# KiCad board ae89fa26-SparkFun_Thing_Plus_ESP32-S3_panelized.kicad_pcb (continued)
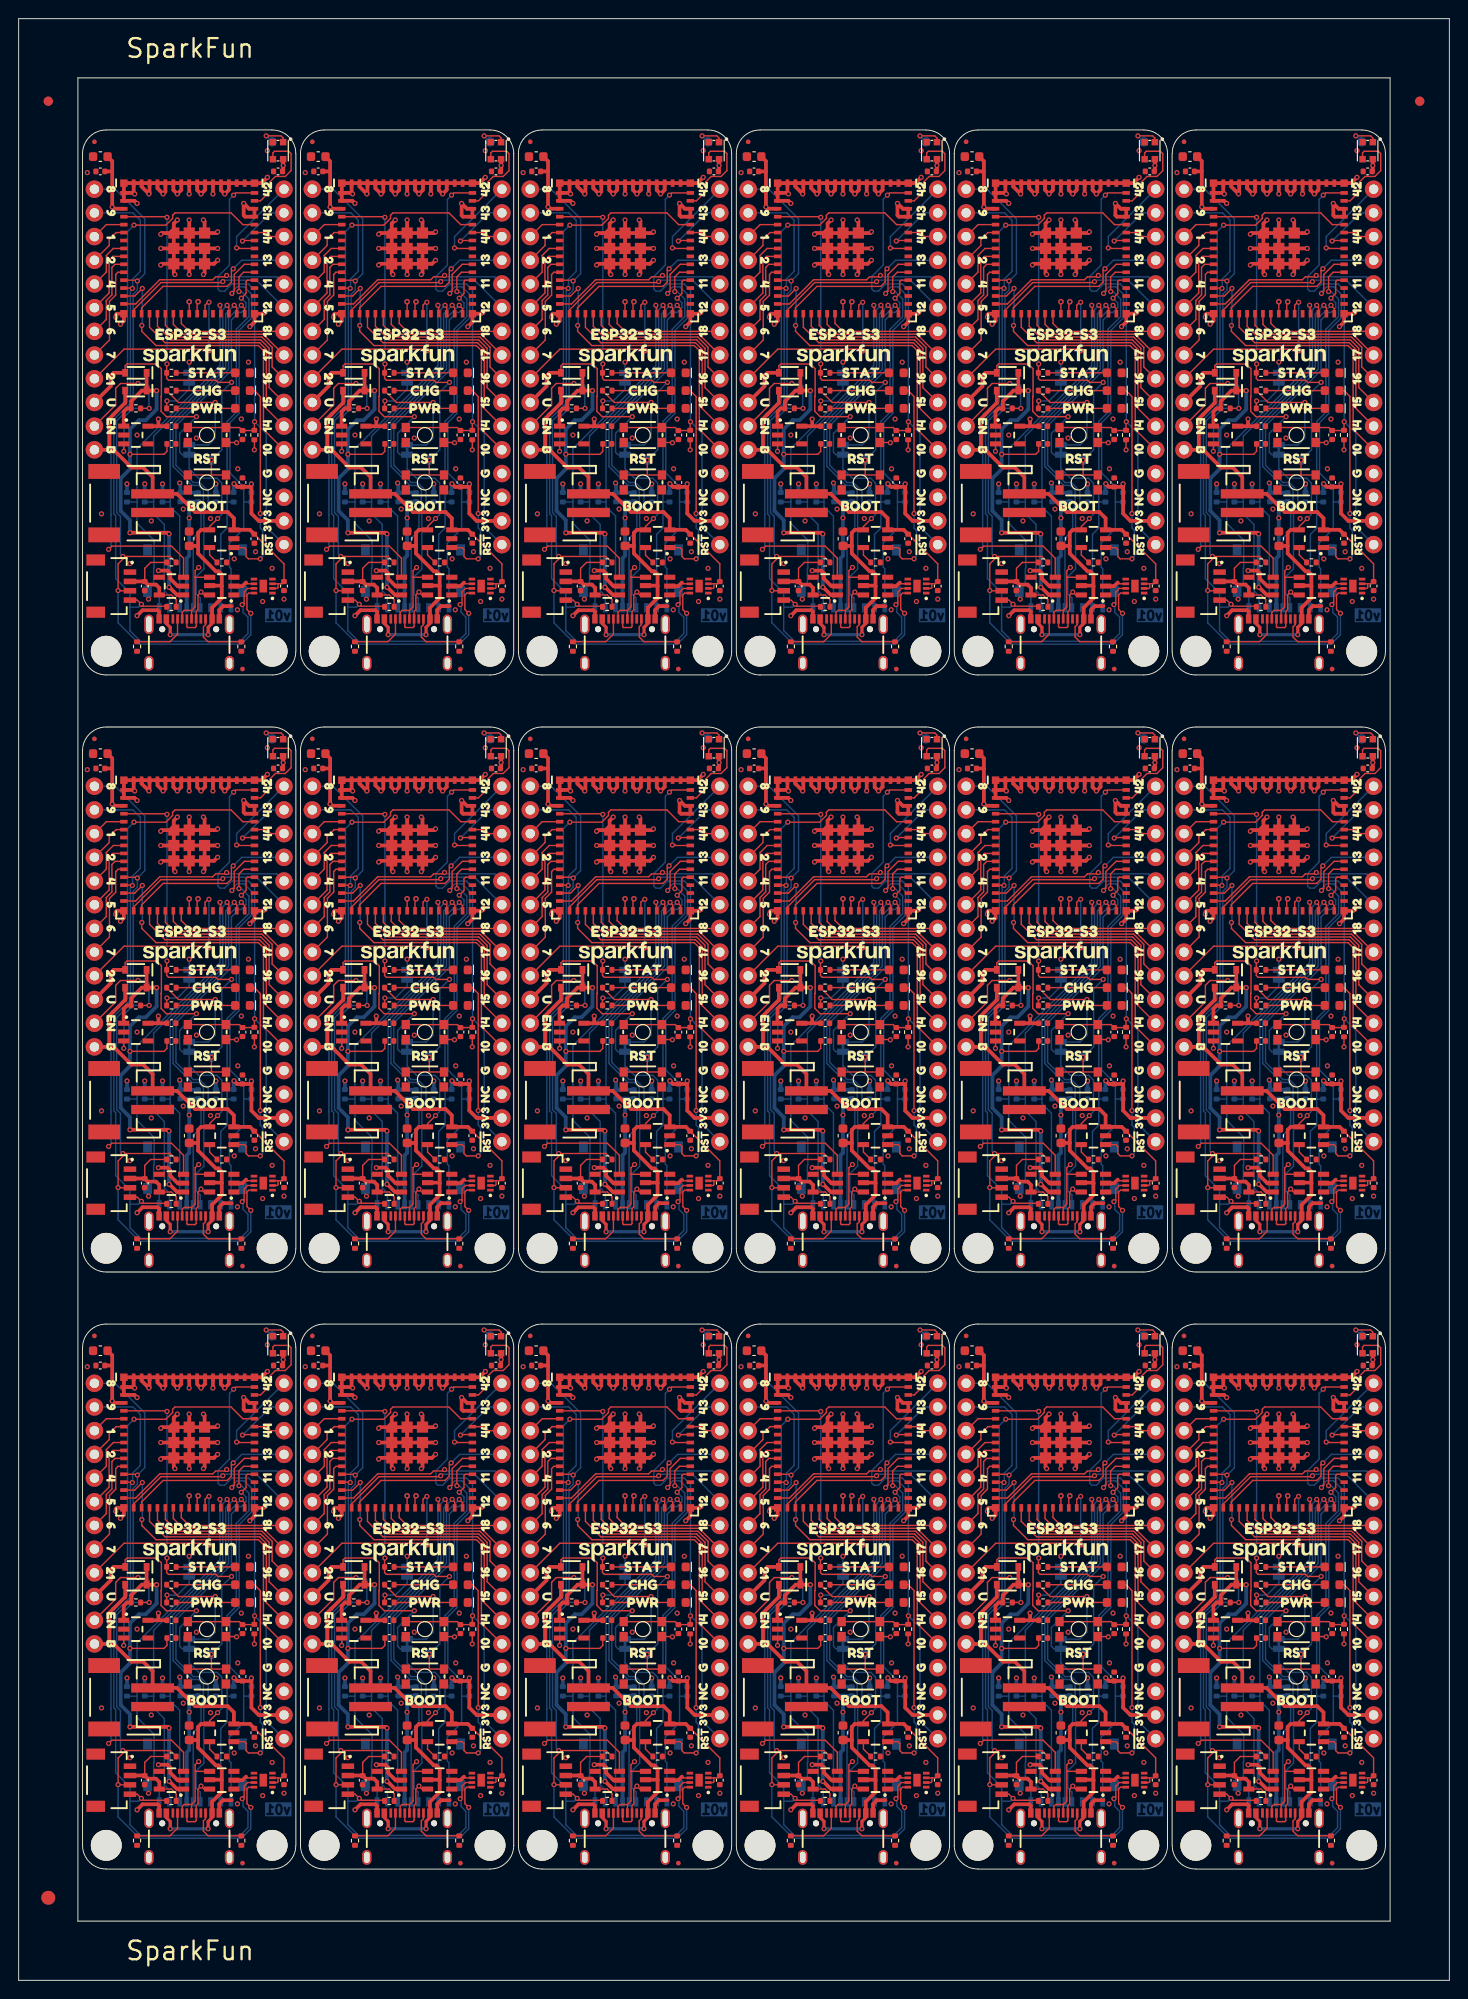
[diagram p0: board, top side]
## Placement (name value [footprint] x y rotation side) (continued)
kibuzzard-656A47C5#4  G***  [kibuzzard-656A47C5]  26.66 128 90 top
kibuzzard-656A47C5#5  G***  [kibuzzard-656A47C5]  50.02 128 90 top
kibuzzard-656A47C5#6  G***  [kibuzzard-656A47C5]  50.02 192 90 top
kibuzzard-656A47C5#7  G***  [kibuzzard-656A47C5]  96.74 64 90 top
kibuzzard-656A47C5#8  G***  [kibuzzard-656A47C5]  96.74 128 90 top
kibuzzard-656A47C5#9  G***  [kibuzzard-656A47C5]  120.1 64 90 top
kibuzzard-656A47C5#10  G***  [kibuzzard-656A47C5]  73.38 192 90 top
kibuzzard-656A47C5#11  G***  [kibuzzard-656A47C5]  143.46 128 90 top
kibuzzard-656A47C5#12  G***  [kibuzzard-656A47C5]  120.1 192 90 top
kibuzzard-656A47C5#13  G***  [kibuzzard-656A47C5]  143.46 192 90 top
kibuzzard-656A47C5#14  G***  [kibuzzard-656A47C5]  96.74 192 90 top
kibuzzard-656A47C5#15  G***  [kibuzzard-656A47C5]  143.46 64 90 top
kibuzzard-656A47C5#16  G***  [kibuzzard-656A47C5]  73.38 128 90 top
kibuzzard-656A47C5#17  G***  [kibuzzard-656A47C5]  120.1 128 90 top
kibuzzard-656A47C5#18  G***  [kibuzzard-656A47C5]  26.66 64 90 top
kibuzzard-656A359E  G***  [kibuzzard-656A359E]  73.38 107.68 90 top
kibuzzard-656A359E#2  G***  [kibuzzard-656A359E]  73.38 43.68 90 top
kibuzzard-656A359E#3  G***  [kibuzzard-656A359E]  50.02 107.68 90 top
kibuzzard-656A359E#4  G***  [kibuzzard-656A359E]  50.02 171.68 90 top
kibuzzard-656A359E#5  G***  [kibuzzard-656A359E]  26.66 107.68 90 top
kibuzzard-656A359E#6  G***  [kibuzzard-656A359E]  50.02 43.68 90 top
kibuzzard-656A359E#7  G***  [kibuzzard-656A359E]  120.1 107.68 90 top
kibuzzard-656A359E#8  G***  [kibuzzard-656A359E]  143.46 107.68 90 top
kibuzzard-656A359E#9  G***  [kibuzzard-656A359E]  26.66 171.68 90 top
kibuzzard-656A359E#10  G***  [kibuzzard-656A359E]  73.38 171.68 90 top
kibuzzard-656A359E#11  G***  [kibuzzard-656A359E]  96.74 43.68 90 top
kibuzzard-656A359E#12  G***  [kibuzzard-656A359E]  96.74 107.68 90 top
kibuzzard-656A359E#13  G***  [kibuzzard-656A359E]  96.74 171.68 90 top
kibuzzard-656A359E#14  G***  [kibuzzard-656A359E]  120.1 43.68 90 top
kibuzzard-656A359E#15  G***  [kibuzzard-656A359E]  120.1 171.68 90 top
kibuzzard-656A359E#16  G***  [kibuzzard-656A359E]  143.46 43.68 90 top
kibuzzard-656A359E#17  G***  [kibuzzard-656A359E]  143.46 171.68 90 top
kibuzzard-656A359E#18  G***  [kibuzzard-656A359E]  26.66 43.68 90 top
kibuzzard-656A361F  G***  [kibuzzard-656A361F]  26.66 89.9 90 top
kibuzzard-656A361F#2  G***  [kibuzzard-656A361F]  120.1 153.9 90 top
kibuzzard-656A361F#3  G***  [kibuzzard-656A361F]  143.46 89.9 90 top
kibuzzard-656A361F#4  G***  [kibuzzard-656A361F]  143.46 153.9 90 top
kibuzzard-656A361F#5  G***  [kibuzzard-656A361F]  73.38 89.9 90 top
kibuzzard-656A361F#6  G***  [kibuzzard-656A361F]  120.1 89.9 90 top
kibuzzard-656A361F#7  G***  [kibuzzard-656A361F]  73.38 25.9 90 top
kibuzzard-656A361F#8  G***  [kibuzzard-656A361F]  50.02 89.9 90 top
kibuzzard-656A361F#9  G***  [kibuzzard-656A361F]  50.02 153.9 90 top
kibuzzard-656A361F#10  G***  [kibuzzard-656A361F]  96.74 153.9 90 top
kibuzzard-656A361F#11  G***  [kibuzzard-656A361F]  26.66 153.9 90 top
kibuzzard-656A361F#12  G***  [kibuzzard-656A361F]  50.02 25.9 90 top
kibuzzard-656A361F#13  G***  [kibuzzard-656A361F]  73.38 153.9 90 top
kibuzzard-656A361F#14  G***  [kibuzzard-656A361F]  120.1 25.9 90 top
kibuzzard-656A361F#15  G***  [kibuzzard-656A361F]  96.74 25.9 90 top
kibuzzard-656A361F#16  G***  [kibuzzard-656A361F]  96.74 89.9 90 top
kibuzzard-656A361F#17  G***  [kibuzzard-656A361F]  143.46 25.9 90 top
kibuzzard-656A361F#18  G***  [kibuzzard-656A361F]  26.66 25.9 90 top
kibuzzard-656A367B  G***  [kibuzzard-656A367B]  33.26 61.46 270 top
kibuzzard-656A367B#2  G***  [kibuzzard-656A367B]  9.9 189.46 270 top
kibuzzard-656A367B#3  G***  [kibuzzard-656A367B]  126.7 61.46 270 top
kibuzzard-656A367B#4  G***  [kibuzzard-656A367B]  9.9 125.46 270 top
kibuzzard-656A367B#5  G***  [kibuzzard-656A367B]  33.26 125.46 270 top
kibuzzard-656A367B#6  G***  [kibuzzard-656A367B]  56.62 61.46 270 top
kibuzzard-656A367B#7  G***  [kibuzzard-656A367B]  56.62 125.46 270 top
kibuzzard-656A367B#8  G***  [kibuzzard-656A367B]  56.62 189.46 270 top
kibuzzard-656A367B#9  G***  [kibuzzard-656A367B]  79.98 61.46 270 top
kibuzzard-656A367B#10  G***  [kibuzzard-656A367B]  79.98 125.46 270 top
kibuzzard-656A367B#11  G***  [kibuzzard-656A367B]  79.98 189.46 270 top
kibuzzard-656A367B#12  G***  [kibuzzard-656A367B]  33.26 189.46 270 top
kibuzzard-656A367B#13  G***  [kibuzzard-656A367B]  103.34 61.46 270 top
kibuzzard-656A367B#14  G***  [kibuzzard-656A367B]  103.34 125.46 270 top
kibuzzard-656A367B#15  G***  [kibuzzard-656A367B]  103.34 189.46 270 top
kibuzzard-656A367B#16  G***  [kibuzzard-656A367B]  126.7 125.46 270 top
kibuzzard-656A367B#17  G***  [kibuzzard-656A367B]  126.7 189.46 270 top
kibuzzard-656A367B#18  G***  [kibuzzard-656A367B]  9.9 61.46 270 top
kibuzzard-656A368C  G***  [kibuzzard-656A368C]  9.9 120.38 270 top
kibuzzard-656A368C#2  G***  [kibuzzard-656A368C]  33.26 120.38 270 top
kibuzzard-656A368C#3  G***  [kibuzzard-656A368C]  9.9 184.38 270 top
kibuzzard-656A368C#4  G***  [kibuzzard-656A368C]  33.26 56.38 270 top
kibuzzard-656A368C#5  G***  [kibuzzard-656A368C]  126.7 120.38 270 top
kibuzzard-656A368C#6  G***  [kibuzzard-656A368C]  33.26 184.38 270 top
kibuzzard-656A368C#7  G***  [kibuzzard-656A368C]  103.34 184.38 270 top
kibuzzard-656A368C#8  G***  [kibuzzard-656A368C]  56.62 56.38 270 top
kibuzzard-656A368C#9  G***  [kibuzzard-656A368C]  126.7 184.38 270 top
kibuzzard-656A368C#10  G***  [kibuzzard-656A368C]  103.34 56.38 270 top
kibuzzard-656A368C#11  G***  [kibuzzard-656A368C]  126.7 56.38 270 top
kibuzzard-656A368C#12  G***  [kibuzzard-656A368C]  79.98 120.38 270 top
kibuzzard-656A368C#13  G***  [kibuzzard-656A368C]  79.98 56.38 270 top
kibuzzard-656A368C#14  G***  [kibuzzard-656A368C]  56.62 184.38 270 top
kibuzzard-656A368C#15  G***  [kibuzzard-656A368C]  103.34 120.38 270 top
kibuzzard-656A368C#16  G***  [kibuzzard-656A368C]  79.98 184.38 270 top
kibuzzard-656A368C#17  G***  [kibuzzard-656A368C]  56.62 120.38 270 top
kibuzzard-656A368C#18  G***  [kibuzzard-656A368C]  9.9 56.38 270 top
kibuzzard-656A387C  G***  [kibuzzard-656A387C]  9.9 100.06 270 top
kibuzzard-656A387C#2  G***  [kibuzzard-656A387C]  9.9 164.06 270 top
kibuzzard-656A387C#3  G***  [kibuzzard-656A387C]  126.7 164.06 270 top
kibuzzard-656A387C#4  G***  [kibuzzard-656A387C]  33.26 164.06 270 top
kibuzzard-656A387C#5  G***  [kibuzzard-656A387C]  56.62 164.06 270 top
kibuzzard-656A387C#6  G***  [kibuzzard-656A387C]  79.98 36.06 270 top
kibuzzard-656A387C#7  G***  [kibuzzard-656A387C]  33.26 36.06 270 top
kibuzzard-656A387C#8  G***  [kibuzzard-656A387C]  103.34 100.06 270 top
kibuzzard-656A387C#9  G***  [kibuzzard-656A387C]  126.7 100.06 270 top
kibuzzard-656A387C#10  G***  [kibuzzard-656A387C]  56.62 36.06 270 top
kibuzzard-656A387C#11  G***  [kibuzzard-656A387C]  33.26 100.06 270 top
kibuzzard-656A387C#12  G***  [kibuzzard-656A387C]  79.98 164.06 270 top
kibuzzard-656A387C#13  G***  [kibuzzard-656A387C]  56.62 100.06 270 top
kibuzzard-656A387C#14  G***  [kibuzzard-656A387C]  79.98 100.06 270 top
kibuzzard-656A387C#15  G***  [kibuzzard-656A387C]  103.34 36.06 270 top
kibuzzard-656A387C#16  G***  [kibuzzard-656A387C]  103.34 164.06 270 top
kibuzzard-656A387C#17  G***  [kibuzzard-656A387C]  126.7 36.06 270 top
kibuzzard-656A387C#18  G***  [kibuzzard-656A387C]  9.9 36.06 270 top
kibuzzard-656A482A  G***  [kibuzzard-656A482A]  33.23 43.68 270 top
kibuzzard-656A482A#2  G***  [kibuzzard-656A482A]  103.31 107.68 270 top
kibuzzard-656A482A#3  G***  [kibuzzard-656A482A]  126.67 43.68 270 top
kibuzzard-656A482A#4  G***  [kibuzzard-656A482A]  56.59 43.68 270 top
kibuzzard-656A482A#5  G***  [kibuzzard-656A482A]  33.23 107.68 270 top
kibuzzard-656A482A#6  G***  [kibuzzard-656A482A]  56.59 171.68 270 top
kibuzzard-656A482A#7  G***  [kibuzzard-656A482A]  9.87 107.68 270 top
kibuzzard-656A482A#8  G***  [kibuzzard-656A482A]  9.87 171.68 270 top
kibuzzard-656A482A#9  G***  [kibuzzard-656A482A]  33.23 171.68 270 top
kibuzzard-656A482A#10  G***  [kibuzzard-656A482A]  56.59 107.68 270 top
kibuzzard-656A482A#11  G***  [kibuzzard-656A482A]  79.95 43.68 270 top
kibuzzard-656A482A#12  G***  [kibuzzard-656A482A]  79.95 107.68 270 top
kibuzzard-656A482A#13  G***  [kibuzzard-656A482A]  79.95 171.68 270 top
kibuzzard-656A482A#14  G***  [kibuzzard-656A482A]  103.31 43.68 270 top
kibuzzard-656A482A#15  G***  [kibuzzard-656A482A]  103.31 171.68 270 top
kibuzzard-656A482A#16  G***  [kibuzzard-656A482A]  126.67 171.68 270 top
kibuzzard-656A482A#17  G***  [kibuzzard-656A482A]  126.67 107.68 270 top
kibuzzard-656A482A#18  G***  [kibuzzard-656A482A]  9.87 43.68 270 top
kibuzzard-656A3526  G***  [kibuzzard-656A3526]  26.66 125.46 90 top
kibuzzard-656A3526#2  G***  [kibuzzard-656A3526]  50.02 61.46 90 top
kibuzzard-656A3526#3  G***  [kibuzzard-656A3526]  26.66 189.46 90 top
kibuzzard-656A3526#4  G***  [kibuzzard-656A3526]  143.46 189.46 90 top
kibuzzard-656A3526#5  G***  [kibuzzard-656A3526]  143.46 125.46 90 top
kibuzzard-656A3526#6  G***  [kibuzzard-656A3526]  120.1 61.46 90 top
kibuzzard-656A3526#7  G***  [kibuzzard-656A3526]  73.38 61.46 90 top
kibuzzard-656A3526#8  G***  [kibuzzard-656A3526]  120.1 189.46 90 top
kibuzzard-656A3526#9  G***  [kibuzzard-656A3526]  96.74 61.46 90 top
kibuzzard-656A3526#10  G***  [kibuzzard-656A3526]  50.02 189.46 90 top
kibuzzard-656A3526#11  G***  [kibuzzard-656A3526]  120.1 125.46 90 top
kibuzzard-656A3526#12  G***  [kibuzzard-656A3526]  96.74 125.46 90 top
kibuzzard-656A3526#13  G***  [kibuzzard-656A3526]  73.38 189.46 90 top
kibuzzard-656A3526#14  G***  [kibuzzard-656A3526]  143.46 61.46 90 top
kibuzzard-656A3526#15  G***  [kibuzzard-656A3526]  96.74 189.46 90 top
kibuzzard-656A3526#16  G***  [kibuzzard-656A3526]  73.38 125.46 90 top
kibuzzard-656A3526#17  G***  [kibuzzard-656A3526]  50.02 125.46 90 top
kibuzzard-656A3526#18  G***  [kibuzzard-656A3526]  26.66 61.46 90 top
kibuzzard-656A3552  G***  [kibuzzard-656A3552]  120.1 115.3 90 top
kibuzzard-656A3552#2  G***  [kibuzzard-656A3552]  120.1 179.3 90 top
kibuzzard-656A3552#3  G***  [kibuzzard-656A3552]  73.38 51.3 90 top
kibuzzard-656A3552#4  G***  [kibuzzard-656A3552]  73.38 179.3 90 top
kibuzzard-656A3552#5  G***  [kibuzzard-656A3552]  120.1 51.3 90 top
kibuzzard-656A3552#6  G***  [kibuzzard-656A3552]  26.66 115.3 90 top
kibuzzard-656A3552#7  G***  [kibuzzard-656A3552]  50.02 115.3 90 top
kibuzzard-656A3552#8  G***  [kibuzzard-656A3552]  73.38 115.3 90 top
kibuzzard-656A3552#9  G***  [kibuzzard-656A3552]  96.74 179.3 90 top
kibuzzard-656A3552#10  G***  [kibuzzard-656A3552]  96.74 115.3 90 top
kibuzzard-656A3552#11  G***  [kibuzzard-656A3552]  26.66 179.3 90 top
kibuzzard-656A3552#12  G***  [kibuzzard-656A3552]  143.46 51.3 90 top
kibuzzard-656A3552#13  G***  [kibuzzard-656A3552]  96.74 51.3 90 top
kibuzzard-656A3552#14  G***  [kibuzzard-656A3552]  50.02 179.3 90 top
kibuzzard-656A3552#15  G***  [kibuzzard-656A3552]  143.46 115.3 90 top
kibuzzard-656A3552#16  G***  [kibuzzard-656A3552]  143.46 179.3 90 top
kibuzzard-656A3552#17  G***  [kibuzzard-656A3552]  50.02 51.3 90 top
kibuzzard-656A3552#18  G***  [kibuzzard-656A3552]  26.66 51.3 90 top
kibuzzard-656A3559  G***  [kibuzzard-656A3559]  143.46 181.84 90 top
kibuzzard-656A3559#2  G***  [kibuzzard-656A3559]  143.46 117.84 90 top
kibuzzard-656A3559#3  G***  [kibuzzard-656A3559]  26.66 117.84 90 top
kibuzzard-656A3559#4  G***  [kibuzzard-656A3559]  26.66 181.84 90 top
kibuzzard-656A3559#5  G***  [kibuzzard-656A3559]  50.02 117.84 90 top
kibuzzard-656A3559#6  G***  [kibuzzard-656A3559]  73.38 53.84 90 top
kibuzzard-656A3559#7  G***  [kibuzzard-656A3559]  73.38 117.84 90 top
kibuzzard-656A3559#8  G***  [kibuzzard-656A3559]  96.74 181.84 90 top
kibuzzard-656A3559#9  G***  [kibuzzard-656A3559]  120.1 117.84 90 top
kibuzzard-656A3559#10  G***  [kibuzzard-656A3559]  143.46 53.84 90 top
kibuzzard-656A3559#11  G***  [kibuzzard-656A3559]  120.1 181.84 90 top
kibuzzard-656A3559#12  G***  [kibuzzard-656A3559]  50.02 53.84 90 top
kibuzzard-656A3559#13  G***  [kibuzzard-656A3559]  50.02 181.84 90 top
kibuzzard-656A3559#14  G***  [kibuzzard-656A3559]  96.74 53.84 90 top
kibuzzard-656A3559#15  G***  [kibuzzard-656A3559]  96.74 117.84 90 top
kibuzzard-656A3559#16  G***  [kibuzzard-656A3559]  120.1 53.84 90 top
kibuzzard-656A3559#17  G***  [kibuzzard-656A3559]  73.38 181.84 90 top
kibuzzard-656A3559#18  G***  [kibuzzard-656A3559]  26.66 53.84 90 top
kibuzzard-656A3560  G***  [kibuzzard-656A3560]  26.66 184.38 90 top
kibuzzard-656A3560#2  G***  [kibuzzard-656A3560]  26.66 120.38 90 top
kibuzzard-656A3560#3  G***  [kibuzzard-656A3560]  96.74 56.38 90 top
kibuzzard-656A3560#4  G***  [kibuzzard-656A3560]  143.46 120.38 90 top
kibuzzard-656A3560#5  G***  [kibuzzard-656A3560]  73.38 120.38 90 top
kibuzzard-656A3560#6  G***  [kibuzzard-656A3560]  50.02 56.38 90 top
kibuzzard-656A3560#7  G***  [kibuzzard-656A3560]  50.02 120.38 90 top
kibuzzard-656A3560#8  G***  [kibuzzard-656A3560]  73.38 56.38 90 top
kibuzzard-656A3560#9  G***  [kibuzzard-656A3560]  96.74 184.38 90 top
kibuzzard-656A3560#10  G***  [kibuzzard-656A3560]  143.46 184.38 90 top
kibuzzard-656A3560#11  G***  [kibuzzard-656A3560]  120.1 56.38 90 top
kibuzzard-656A3560#12  G***  [kibuzzard-656A3560]  50.02 184.38 90 top
kibuzzard-656A3560#13  G***  [kibuzzard-656A3560]  120.1 120.38 90 top
kibuzzard-656A3560#14  G***  [kibuzzard-656A3560]  120.1 184.38 90 top
kibuzzard-656A3560#15  G***  [kibuzzard-656A3560]  73.38 184.38 90 top
kibuzzard-656A3560#16  G***  [kibuzzard-656A3560]  143.46 56.38 90 top
kibuzzard-656A3560#17  G***  [kibuzzard-656A3560]  96.74 120.38 90 top
kibuzzard-656A3560#18  G***  [kibuzzard-656A3560]  26.66 56.38 90 top
kibuzzard-656A3567  G***  [kibuzzard-656A3567]  96.74 58.92 90 top
kibuzzard-656A3567#2  G***  [kibuzzard-656A3567]  120.1 58.92 90 top
kibuzzard-656A3567#3  G***  [kibuzzard-656A3567]  120.1 186.92 90 top
kibuzzard-656A3567#4  G***  [kibuzzard-656A3567]  143.46 186.92 90 top
kibuzzard-656A3567#5  G***  [kibuzzard-656A3567]  26.66 186.92 90 top
kibuzzard-656A3567#6  G***  [kibuzzard-656A3567]  73.38 186.92 90 top
kibuzzard-656A3567#7  G***  [kibuzzard-656A3567]  96.74 186.92 90 top
kibuzzard-656A3567#8  G***  [kibuzzard-656A3567]  50.02 186.92 90 top
kibuzzard-656A3567#9  G***  [kibuzzard-656A3567]  50.02 122.92 90 top
kibuzzard-656A3567#10  G***  [kibuzzard-656A3567]  26.66 122.92 90 top
kibuzzard-656A3567#11  G***  [kibuzzard-656A3567]  50.02 58.92 90 top
kibuzzard-656A3567#12  G***  [kibuzzard-656A3567]  73.38 58.92 90 top
kibuzzard-656A3567#13  G***  [kibuzzard-656A3567]  73.38 122.92 90 top
kibuzzard-656A3567#14  G***  [kibuzzard-656A3567]  96.74 122.92 90 top
kibuzzard-656A3567#15  G***  [kibuzzard-656A3567]  120.1 122.92 90 top
kibuzzard-656A3567#16  G***  [kibuzzard-656A3567]  143.46 58.92 90 top
kibuzzard-656A3567#17  G***  [kibuzzard-656A3567]  143.46 122.92 90 top
kibuzzard-656A3567#18  G***  [kibuzzard-656A3567]  26.66 58.92 90 top
kibuzzard-656A3591  G***  [kibuzzard-656A3591]  143.46 48.76 90 top
kibuzzard-656A3591#2  G***  [kibuzzard-656A3591]  50.02 48.76 90 top
kibuzzard-656A3591#3  G***  [kibuzzard-656A3591]  73.38 48.76 90 top
kibuzzard-656A3591#4  G***  [kibuzzard-656A3591]  120.1 112.76 90 top
kibuzzard-656A3591#5  G***  [kibuzzard-656A3591]  50.02 112.76 90 top
kibuzzard-656A3591#6  G***  [kibuzzard-656A3591]  120.1 176.76 90 top
kibuzzard-656A3591#7  G***  [kibuzzard-656A3591]  50.02 176.76 90 top
kibuzzard-656A3591#8  G***  [kibuzzard-656A3591]  26.66 176.76 90 top
kibuzzard-656A3591#9  G***  [kibuzzard-656A3591]  73.38 112.76 90 top
kibuzzard-656A3591#10  G***  [kibuzzard-656A3591]  73.38 176.76 90 top
kibuzzard-656A3591#11  G***  [kibuzzard-656A3591]  96.74 48.76 90 top
kibuzzard-656A3591#12  G***  [kibuzzard-656A3591]  96.74 176.76 90 top
kibuzzard-656A3591#13  G***  [kibuzzard-656A3591]  120.1 48.76 90 top
kibuzzard-656A3591#14  G***  [kibuzzard-656A3591]  26.66 112.76 90 top
kibuzzard-656A3591#15  G***  [kibuzzard-656A3591]  96.74 112.76 90 top
kibuzzard-656A3591#16  G***  [kibuzzard-656A3591]  143.46 176.76 90 top
kibuzzard-656A3591#17  G***  [kibuzzard-656A3591]  143.46 112.76 90 top
kibuzzard-656A3591#18  G***  [kibuzzard-656A3591]  26.66 48.76 90 top
kibuzzard-656A3598  G***  [kibuzzard-656A3598]  50.02 174.22 90 top
kibuzzard-656A3598#2  G***  [kibuzzard-656A3598]  26.66 110.22 90 top
kibuzzard-656A3598#3  G***  [kibuzzard-656A3598]  96.74 46.22 90 top
kibuzzard-656A3598#4  G***  [kibuzzard-656A3598]  26.66 174.22 90 top
kibuzzard-656A3598#5  G***  [kibuzzard-656A3598]  50.02 46.22 90 top
kibuzzard-656A3598#6  G***  [kibuzzard-656A3598]  50.02 110.22 90 top
kibuzzard-656A3598#7  G***  [kibuzzard-656A3598]  73.38 110.22 90 top
kibuzzard-656A3598#8  G***  [kibuzzard-656A3598]  73.38 46.22 90 top
kibuzzard-656A3598#9  G***  [kibuzzard-656A3598]  73.38 174.22 90 top
kibuzzard-656A3598#10  G***  [kibuzzard-656A3598]  96.74 110.22 90 top
kibuzzard-656A3598#11  G***  [kibuzzard-656A3598]  96.74 174.22 90 top
kibuzzard-656A3598#12  G***  [kibuzzard-656A3598]  120.1 46.22 90 top
kibuzzard-656A3598#13  G***  [kibuzzard-656A3598]  120.1 110.22 90 top
kibuzzard-656A3598#14  G***  [kibuzzard-656A3598]  120.1 174.22 90 top
kibuzzard-656A3598#15  G***  [kibuzzard-656A3598]  143.46 46.22 90 top
kibuzzard-656A3598#16  G***  [kibuzzard-656A3598]  143.46 174.22 90 top
kibuzzard-656A3598#17  G***  [kibuzzard-656A3598]  143.46 110.22 90 top
kibuzzard-656A3598#18  G***  [kibuzzard-656A3598]  26.66 46.22 90 top
kibuzzard-656A3668  G***  [kibuzzard-656A3668]  56.62 192 270 top
kibuzzard-656A3668#2  G***  [kibuzzard-656A3668]  9.9 128 270 top
kibuzzard-656A3668#3  G***  [kibuzzard-656A3668]  79.98 128 270 top
kibuzzard-656A3668#4  G***  [kibuzzard-656A3668]  33.26 128 270 top
kibuzzard-656A3668#5  G***  [kibuzzard-656A3668]  9.9 192 270 top
kibuzzard-656A3668#6  G***  [kibuzzard-656A3668]  33.26 64 270 top
kibuzzard-656A3668#7  G***  [kibuzzard-656A3668]  33.26 192 270 top
kibuzzard-656A3668#8  G***  [kibuzzard-656A3668]  56.62 64 270 top
kibuzzard-656A3668#9  G***  [kibuzzard-656A3668]  56.62 128 270 top
kibuzzard-656A3668#10  G***  [kibuzzard-656A3668]  79.98 64 270 top
kibuzzard-656A3668#11  G***  [kibuzzard-656A3668]  126.7 128 270 top
kibuzzard-656A3668#12  G***  [kibuzzard-656A3668]  103.34 64 270 top
kibuzzard-656A3668#13  G***  [kibuzzard-656A3668]  126.7 64 270 top
kibuzzard-656A3668#14  G***  [kibuzzard-656A3668]  103.34 128 270 top
kibuzzard-656A3668#15  G***  [kibuzzard-656A3668]  103.34 192 270 top
kibuzzard-656A3668#16  G***  [kibuzzard-656A3668]  126.7 192 270 top
kibuzzard-656A3668#17  G***  [kibuzzard-656A3668]  79.98 192 270 top
kibuzzard-656A3668#18  G***  [kibuzzard-656A3668]  9.9 64 270 top
kibuzzard-656A3687  G***  [kibuzzard-656A3687]  9.9 122.92 270 top
kibuzzard-656A3687#2  G***  [kibuzzard-656A3687]  103.34 122.92 270 top
kibuzzard-656A3687#3  G***  [kibuzzard-656A3687]  103.34 186.92 270 top
kibuzzard-656A3687#4  G***  [kibuzzard-656A3687]  56.62 122.92 270 top
kibuzzard-656A3687#5  G***  [kibuzzard-656A3687]  79.98 122.92 270 top
kibuzzard-656A3687#6  G***  [kibuzzard-656A3687]  56.62 186.92 270 top
kibuzzard-656A3687#7  G***  [kibuzzard-656A3687]  79.98 58.92 270 top
kibuzzard-656A3687#8  G***  [kibuzzard-656A3687]  9.9 186.92 270 top
kibuzzard-656A3687#9  G***  [kibuzzard-656A3687]  33.26 186.92 270 top
kibuzzard-656A3687#10  G***  [kibuzzard-656A3687]  79.98 186.92 270 top
kibuzzard-656A3687#11  G***  [kibuzzard-656A3687]  126.7 58.92 270 top
kibuzzard-656A3687#12  G***  [kibuzzard-656A3687]  33.26 58.92 270 top
kibuzzard-656A3687#13  G***  [kibuzzard-656A3687]  56.62 58.92 270 top
kibuzzard-656A3687#14  G***  [kibuzzard-656A3687]  126.7 122.92 270 top
kibuzzard-656A3687#15  G***  [kibuzzard-656A3687]  103.34 58.92 270 top
kibuzzard-656A3687#16  G***  [kibuzzard-656A3687]  126.7 186.92 270 top
kibuzzard-656A3687#17  G***  [kibuzzard-656A3687]  33.26 122.92 270 top
kibuzzard-656A3687#18  G***  [kibuzzard-656A3687]  9.9 58.92 270 top
kibuzzard-656A3691  G***  [kibuzzard-656A3691]  9.9 117.84 270 top
kibuzzard-656A3691#2  G***  [kibuzzard-656A3691]  33.26 53.84 270 top
kibuzzard-656A3691#3  G***  [kibuzzard-656A3691]  9.9 181.84 270 top
kibuzzard-656A3691#4  G***  [kibuzzard-656A3691]  79.98 181.84 270 top
kibuzzard-656A3691#5  G***  [kibuzzard-656A3691]  126.7 181.84 270 top
kibuzzard-656A3691#6  G***  [kibuzzard-656A3691]  56.62 53.84 270 top
kibuzzard-656A3691#7  G***  [kibuzzard-656A3691]  33.26 181.84 270 top
kibuzzard-656A3691#8  G***  [kibuzzard-656A3691]  103.34 117.84 270 top
kibuzzard-656A3691#9  G***  [kibuzzard-656A3691]  103.34 53.84 270 top
kibuzzard-656A3691#10  G***  [kibuzzard-656A3691]  126.7 53.84 270 top
kibuzzard-656A3691#11  G***  [kibuzzard-656A3691]  33.26 117.84 270 top
kibuzzard-656A3691#12  G***  [kibuzzard-656A3691]  56.62 117.84 270 top
kibuzzard-656A3691#13  G***  [kibuzzard-656A3691]  56.62 181.84 270 top
kibuzzard-656A3691#14  G***  [kibuzzard-656A3691]  79.98 53.84 270 top
kibuzzard-656A3691#15  G***  [kibuzzard-656A3691]  79.98 117.84 270 top
kibuzzard-656A3691#16  G***  [kibuzzard-656A3691]  103.34 181.84 270 top
kibuzzard-656A3691#17  G***  [kibuzzard-656A3691]  126.7 117.84 270 top
kibuzzard-656A3691#18  G***  [kibuzzard-656A3691]  9.9 53.84 270 top
kibuzzard-656A3874  G***  [kibuzzard-656A3874]  126.7 105.14 270 top
kibuzzard-656A3874#2  G***  [kibuzzard-656A3874]  56.62 169.14 270 top
kibuzzard-656A3874#3  G***  [kibuzzard-656A3874]  9.9 169.14 270 top
kibuzzard-656A3874#4  G***  [kibuzzard-656A3874]  103.34 41.14 270 top
kibuzzard-656A3874#5  G***  [kibuzzard-656A3874]  79.98 169.14 270 top
kibuzzard-656A3874#6  G***  [kibuzzard-656A3874]  33.26 169.14 270 top
kibuzzard-656A3874#7  G***  [kibuzzard-656A3874]  56.62 41.14 270 top
kibuzzard-656A3874#8  G***  [kibuzzard-656A3874]  56.62 105.14 270 top
kibuzzard-656A3874#9  G***  [kibuzzard-656A3874]  79.98 105.14 270 top
kibuzzard-656A3874#10  G***  [kibuzzard-656A3874]  33.26 41.14 270 top
kibuzzard-656A3874#11  G***  [kibuzzard-656A3874]  33.26 105.14 270 top
kibuzzard-656A3874#12  G***  [kibuzzard-656A3874]  103.34 105.14 270 top
kibuzzard-656A3874#13  G***  [kibuzzard-656A3874]  79.98 41.14 270 top
kibuzzard-656A3874#14  G***  [kibuzzard-656A3874]  103.34 169.14 270 top
kibuzzard-656A3874#15  G***  [kibuzzard-656A3874]  9.9 105.14 270 top
kibuzzard-656A3874#16  G***  [kibuzzard-656A3874]  126.7 41.14 270 top
kibuzzard-656A3874#17  G***  [kibuzzard-656A3874]  126.7 169.14 270 top
kibuzzard-656A3874#18  G***  [kibuzzard-656A3874]  9.9 41.14 270 top
kibuzzard-656A3878  G***  [kibuzzard-656A3878]  33.26 102.6 270 top
kibuzzard-656A3878#2  G***  [kibuzzard-656A3878]  9.9 102.6 270 top
kibuzzard-656A3878#3  G***  [kibuzzard-656A3878]  79.98 38.6 270 top
kibuzzard-656A3878#4  G***  [kibuzzard-656A3878]  9.9 166.6 270 top
kibuzzard-656A3878#5  G***  [kibuzzard-656A3878]  33.26 38.6 270 top
kibuzzard-656A3878#6  G***  [kibuzzard-656A3878]  56.62 166.6 270 top
kibuzzard-656A3878#7  G***  [kibuzzard-656A3878]  56.62 102.6 270 top
kibuzzard-656A3878#8  G***  [kibuzzard-656A3878]  79.98 166.6 270 top
kibuzzard-656A3878#9  G***  [kibuzzard-656A3878]  56.62 38.6 270 top
kibuzzard-656A3878#10  G***  [kibuzzard-656A3878]  103.34 102.6 270 top
kibuzzard-656A3878#11  G***  [kibuzzard-656A3878]  79.98 102.6 270 top
kibuzzard-656A3878#12  G***  [kibuzzard-656A3878]  103.34 166.6 270 top
kibuzzard-656A3878#13  G***  [kibuzzard-656A3878]  33.26 166.6 270 top
kibuzzard-656A3878#14  G***  [kibuzzard-656A3878]  126.7 38.6 270 top
kibuzzard-656A3878#15  G***  [kibuzzard-656A3878]  126.7 102.6 270 top
kibuzzard-656A3878#16  G***  [kibuzzard-656A3878]  126.7 166.6 270 top
kibuzzard-656A3878#17  G***  [kibuzzard-656A3878]  103.34 38.6 270 top
kibuzzard-656A3878#18  G***  [kibuzzard-656A3878]  9.9 38.6 270 top
kibuzzard-656A3901  G***  [kibuzzard-656A3901]  41.64 91.17 180 bottom
kibuzzard-656A3901#2  G***  [kibuzzard-656A3901]  65 91.17 180 bottom
kibuzzard-656A3901#3  G***  [kibuzzard-656A3901]  88.36 27.17 180 bottom
kibuzzard-656A3901#4  G***  [kibuzzard-656A3901]  41.64 27.17 180 bottom
kibuzzard-656A3901#5  G***  [kibuzzard-656A3901]  18.28 91.17 180 bottom
kibuzzard-656A3901#6  G***  [kibuzzard-656A3901]  18.28 155.17 180 bottom
kibuzzard-656A3901#7  G***  [kibuzzard-656A3901]  41.64 155.17 180 bottom
kibuzzard-656A3901#8  G***  [kibuzzard-656A3901]  65 27.17 180 bottom
kibuzzard-656A3901#9  G***  [kibuzzard-656A3901]  65 155.17 180 bottom
kibuzzard-656A3901#10  G***  [kibuzzard-656A3901]  135.08 27.17 180 bottom
kibuzzard-656A3901#11  G***  [kibuzzard-656A3901]  135.08 155.17 180 bottom
kibuzzard-656A3901#12  G***  [kibuzzard-656A3901]  88.36 91.17 180 bottom
kibuzzard-656A3901#13  G***  [kibuzzard-656A3901]  111.72 27.17 180 bottom
kibuzzard-656A3901#14  G***  [kibuzzard-656A3901]  88.36 155.17 180 bottom
kibuzzard-656A3901#15  G***  [kibuzzard-656A3901]  135.08 91.17 180 bottom
kibuzzard-656A3901#16  G***  [kibuzzard-656A3901]  111.72 155.17 180 bottom
